# KiCad board ayab-esp32.kicad_pcb (continued)
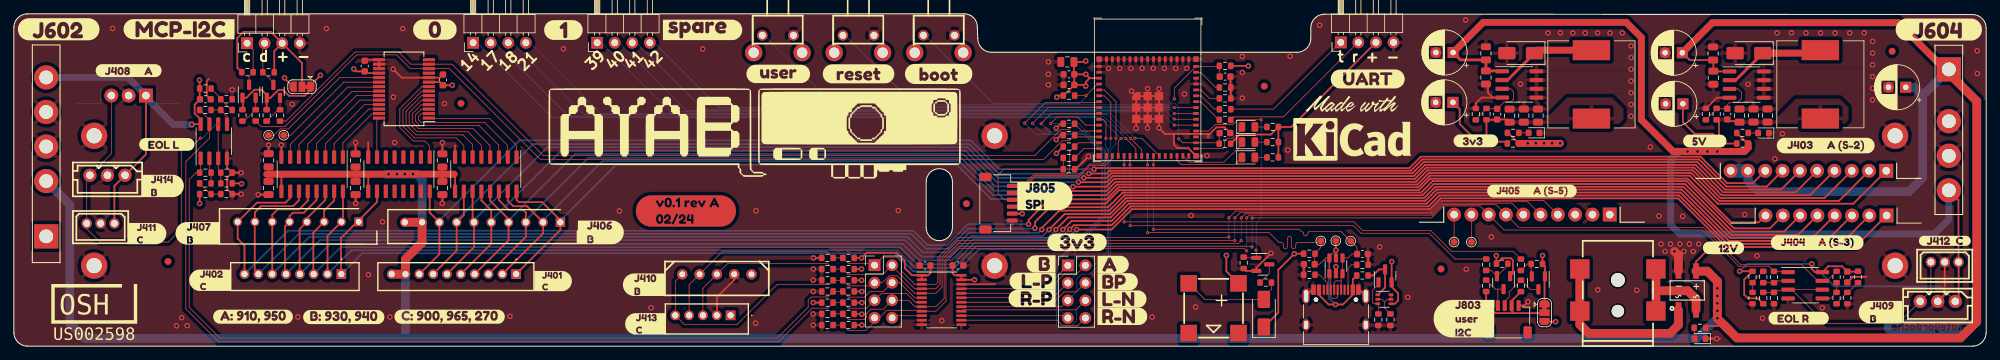
[diagram p0: board, top side]
## Library data of the parts (continued)
U301 = -: Description: 16-bit I/O expander, I2C, interrupts, w pull-ups, SSOP-28; LCSC ID: C506653; OEM: Microchip Tech; OEM PN: MCP23017-E/SS; Package: SSOP-28
U302-U304 = -: Description: High Voltage, High Current Darlington Transistor Arrays, SOIC16/SOIC16W/DIP16/TSSOP16; LCSC ID: C7512; OEM: Texas Instruments; OEM PN: ULN2003ADR; Package: SOIC-16
U501 = -: Description: ESD Protection Diodes with Low Clamping Voltage, SOT-23-6; LCSC ID: C7420376; OEM: hongjiacheng; Package: SOT-23-6
U601 U602 = -: LCSC ID: C61063; OEM: XLSEMI; OEM PN: XL1509-5.0E1; Package: SOIC-8
U701 = -: LCSC ID: C7859; OEM: Texas Instruments; OEM PN: SN74LVC4245APWR; Package: TSSOP-24
U702 U703 = -: Description: Low-Power, Low-Offset Voltage, Dual Comparators, DIP-8/SOIC-8/TO-99-8; LCSC ID: C7955; OEM: onsemi; OEM PN: LM393DR2G; Package: SOIC-8

## Footprints (pads in the part's own frame, mm; a bottom-side part is the same pattern mirrored in y, then rotated)
530140510
  rect 1.4x1.4 hole 0.9: 1(0,0)
  round 1.4 hole 0.9: 2(-2,0) 3(-4,0) 4(-6,0) 5(-8,0)
530140810
  rect 1.4x1.4 hole 0.9: 1(0,0)
  round 1.4 hole 0.9: 2(-2,0) 3(-4,0) 4(-6,0) 5(-8,0) 6(-10,0) 7(-12,0) 8(-14,0)
530141010
  rect 1.4x1.4 hole 0.9: 1(0,0)
  round 1.4 hole 0.9: 2(-2,0) 3(-4,0) 4(-6,0) 5(-8,0) 6(-10,0) 7(-12,0) 8(-14,0) 9(-16,0) 10(-18,0)
Brother_4P
  rect 3.5x3.5 hole 2: 1(21.005,2)
  round 3.5 hole 2: 2(13.505,2) 3(8.505,2) 4(3.505,2)
Brother_5P
  rect 3.5x3.5 hole 2: 1(27.7,2)
  round 3.5 hole 2: 2(19.7,2) 3(14.7,2) 4(9.7,2) 5(4.7,2)
BUZ-SMD_4P-L8.5-W8.5-P8.50-BR
  rect 2.4x2.4 smd: 1(-3.6,-3.6) 2(3.6,-3.6) 3(3.6,3.6) 4(-3.6,3.6)
C_0603_1608Metric
  rrect 0.9x0.95 smd: 1(-0.775,0) 2(0.775,0)
C_0805_2012Metric
  rrect 1x1.45 smd: 1(-0.95,0) 2(0.95,0)
CONN-TH_3P-P2.00_A2004WV-3P
  round 1.5 hole 1: 1(2,0) 2(0,0) 3(-2,0)
CONN-TH_3P-P2.50_X2564WV-03-N0SN
  round 1.9 hole 1.1: 1(2.54,0) 2(0,0) 3(-2.54,0)
CONN-TH_X2564WV-05-N0SN
  round 1.5 hole 0.85: 1(5,0) 2(2.5,0) 3(0,0) 4(-2.5,0) 5(-5,0)
CP_Radial_D6.3mm_P2.50mm
  rect 1.6x1.6 hole 0.8: 1(0,0)
  round 1.6 hole 0.8: 2(2.5,0)
D_0603_1608Metric
  rrect 0.875x0.95 smd: 1(-0.787,0) 2(0.787,0)
D_0805_2012Metric
  rrect 0.975x1.4 smd: 1(-0.938,0) 2(0.938,0)
D_SMA
  rrect 2.5x1.8 smd: 1(-2,0) 2(2,0)
DC-IN-TH_DC-005-5A-2.0-SMT
  round 1.8 hole 1.8 unplated: (-3.05,0)
  round 2 hole 2 unplated: (1.45,0)
  rect 2.8x2.8 smd: 1(-3.05,5.5) 1(3.05,5.5) 2(-3.05,-5.5) 3(3.05,-5.5)
ESP32-S3-MINI-1
  rect 0.8x0.4 smd: 1(-7,5.95) 2(-7,5.1) 3(-7,4.25) 4(-7,3.4) 5(-7,2.55) 6(-7,1.7) 7(-7,0.85) 8(-7,0) 9(-7,-0.85) 10(-7,-1.7) 11(-7,-2.55) 12(-7,-3.4) 13(-7,-4.25) 14(-7,-5.1) 15(-7,-5.95) 31(7,-5.95) 32(7,-5.1) 33(7,-4.25) 34(7,-3.4) 35(7,-2.55) 36(7,-1.7) 37(7,-0.85) 38(7,0) 39(7,0.85) 40(7,1.7) 41(7,2.55) 42(7,3.4) 43(7,4.25) 44(7,5.1) 45(7,5.95)
  rect 0.4x0.8 smd: 16(-5.95,-7) 17(-5.1,-7) 18(-4.25,-7) 19(-3.4,-7) 20(-2.55,-7) 21(-1.7,-7) 22(-0.85,-7) 23(0,-7) 24(0.85,-7) 25(1.7,-7) 26(2.55,-7) 27(3.4,-7) 28(4.25,-7) 29(5.1,-7) 30(5.95,-7) 46(5.95,7) 47(5.1,7) 48(4.25,7) 49(3.4,7) 50(2.55,7) 51(1.7,7) 52(0.85,7) 53(0,7) 54(-0.85,7) 55(-1.7,7) 56(-2.55,7) 57(-3.4,7) 58(-4.25,7) 59(-5.1,7) 60(-5.95,7)
  custom 1.2x1.2 smd: 61(-1.65,1.65)
  rect 1.2x1.2 smd: 61(-1.65,0) 61(-1.65,-1.65) 61(0,1.65) 61(0,0) 61(0,-1.65) 61(1.65,1.65) 61(1.65,0) 61(1.65,-1.65)
  rect 0.8x0.8 smd: 62(-7,7) 63(-7,-7) 64(7,-7) 65(7,7)
Fiducial_1mm_Mask2mm
  round 1 smd: (0,0)
HNC2-2.5P-3DS
  rect 2x2 hole 1.1: 1(-2.5,0)
  round 2 hole 1.1: 2(0,0) 3(2.5,0)
HNC2-2.5P-8DS
  rect 2x2 hole 1.1: 1(-8.75,0)
  round 2 hole 1.1: 2(-6.25,0) 3(-3.75,0) 4(-1.25,0) 5(1.25,0) 6(3.75,0) 7(6.25,0) 8(8.75,0)
HNC2-2.5P-10DS
  rect 2x2 hole 1.1: 1(-10,0)
  round 2 hole 1.1: 2(-7.5,0) 3(-5,0) 4(-2.5,0) 5(0,0) 6(2.5,0) 7(5,0) 8(7.5,0) 9(10,0) 10(12.5,0)
JST_SH_SM04B-SRSS-TB_1x04-1MP_P1.00mm_Horizontal
  rrect 0.6x1.55 smd: 1(-1.5,2) 2(-0.5,2) 3(0.5,2) 4(1.5,2)
  rrect 1.2x1.8 smd: MP(-2.8,-1.875) MP(2.8,-1.875)
JST_SH_SM06B-SRSS-TB_1x06-1MP_P1.00mm_Horizontal
  rrect 0.6x1.55 smd: 1(-2.5,2) 2(-1.5,2) 3(-0.5,2) 4(0.5,2) 5(1.5,2) 6(2.5,2)
  rrect 1.2x1.8 smd: MP(-3.8,-1.875) MP(3.8,-1.875)
KEY-TH_4P-L7.5-W11.5-P4.5
  round 1.52 hole 1: 1(-2.25,1.25) 2(2.25,1.25)
  round 2.5 hole 1.5: 3(-3.5,-1.25) 4(3.5,-1.25)
L_12x12mm_H8mm
  rect 2.9x5.4 smd: 1(-4.95,0) 2(4.95,0)
MBF-SMD_L4.8-W3.8-P2.54-LS6.8-TL
  rect 2.24x0.84 smd: 1(-2.82,1.27) 2(-2.82,-1.27) 3(2.82,-1.27) 4(2.82,1.27)
MountingHole_2.2mm_M2_DIN965_Pad
  round 3.8 hole 2.2: 1(0,0)
PinHeader_1x04_P2.54mm_Horizontal
  rect 1.7x1.7 hole 1: 1(0,0)
  oval 1.7x1.7 hole 1: 2(0,-2.54) 3(0,-5.08) 4(0,-7.62)
PinHeader_2x04_P2.54mm_Vertical
  rect 1.7x1.7 hole 1: 1(0,0)
  oval 1.7x1.7 hole 1: 2(2.54,0) 3(0,-2.54) 4(2.54,-2.54) 5(0,-5.08) 6(2.54,-5.08) 7(0,-7.62) 8(2.54,-7.62)
R_0603_1608Metric
  rrect 0.8x0.95 smd: 1(-0.825,0) 2(0.825,0)
SHDR8W65P0X250_1X8_2240X490X610P
  rect 1.275x1.275 hole 0.85: 1(0,0)
  round 1.275 hole 0.85: 2(-2.5,0) 3(-5,0) 4(-7.5,0) 5(-10,0) 6(-12.5,0) 7(-15,0) 8(-17.5,0)
SHDR10W70P0X250_1X10_2740X490X590P
  rect 1.35x1.35 hole 0.9: 1(22.5,0)
  round 1.35 hole 0.9: 2(20,0) 3(17.5,0) 4(15,0) 5(12.5,0) 6(10,0) 7(7.5,0) 8(5,0) 9(2.5,0) 10(0,0)
SOIC-8_3.9x4.9mm_P1.27mm
  rrect 1.95x0.6 smd: 1(-2.475,1.905) 2(-2.475,0.635) 3(-2.475,-0.635) 4(-2.475,-1.905) 5(2.475,-1.905) 6(2.475,-0.635) 7(2.475,0.635) 8(2.475,1.905)
SOIC-16_3.9x9.9mm_P1.27mm
  rrect 1.95x0.6 smd: 1(-2.475,4.445) 2(-2.475,3.175) 3(-2.475,1.905) 4(-2.475,0.635) 5(-2.475,-0.635) 6(-2.475,-1.905) 7(-2.475,-3.175) 8(-2.475,-4.445) 9(2.475,-4.445) 10(2.475,-3.175) 11(2.475,-1.905) 12(2.475,-0.635) 13(2.475,0.635) 14(2.475,1.905) 15(2.475,3.175) 16(2.475,4.445)
SolderJumper-3_P1.3mm_Bridged12_RoundedPad1.0x1.5mm
  custom 1.05x1.5 smd: 1(-1.3,0) 3(1.3,0)
  rect 1x1.5 smd: 2(0,0)
SOT-23
  rrect 1.475x0.6 smd: 1(-0.938,0.95) 2(-0.938,-0.95) 3(0.938,0)
SOT-23-6
  rrect 1.325x0.6 smd: 1(-1.137,0.95) 2(-1.137,0) 3(-1.137,-0.95) 4(1.137,-0.95) 5(1.137,0) 6(1.137,0.95)
SOT-363_SC-70-6
  rect 0.65x0.4 smd: 1(-0.95,0.65) 2(-0.95,0) 3(-0.95,-0.65) 4(0.95,-0.65) 5(0.95,0) 6(0.95,0.65)
SSOP-28_5.3x10.2mm_P0.65mm
  rect 1.75x0.45 smd: 1(-3.6,4.225) 2(-3.6,3.575) 3(-3.6,2.925) 4(-3.6,2.275) 5(-3.6,1.625) 6(-3.6,0.975) 7(-3.6,0.325) 8(-3.6,-0.325) 9(-3.6,-0.975) 10(-3.6,-1.625) 11(-3.6,-2.275) 12(-3.6,-2.925) 13(-3.6,-3.575) 14(-3.6,-4.225) 15(3.6,-4.225) 16(3.6,-3.575) 17(3.6,-2.925) 18(3.6,-2.275) 19(3.6,-1.625) 20(3.6,-0.975) 21(3.6,-0.325) 22(3.6,0.325) 23(3.6,0.975) 24(3.6,1.625) 25(3.6,2.275) 26(3.6,2.925) 27(3.6,3.575) 28(3.6,4.225)
TestPoint_Pad_D1.0mm
  round 1 smd: 1(0,0)
TSSOP-24_4.4x7.8mm_P0.65mm
  rrect 1.475x0.4 smd: 1(-2.862,3.575) 2(-2.862,2.925) 3(-2.862,2.275) 4(-2.862,1.625) 5(-2.862,0.975) 6(-2.862,0.325) 7(-2.862,-0.325) 8(-2.862,-0.975) 9(-2.862,-1.625) 10(-2.862,-2.275) 11(-2.862,-2.925) 12(-2.862,-3.575) 13(2.862,-3.575) 14(2.862,-2.925) 15(2.862,-2.275) 16(2.862,-1.625) 17(2.862,-0.975) 18(2.862,-0.325) 19(2.862,0.325) 20(2.862,0.975) 21(2.862,1.625) 22(2.862,2.275) 23(2.862,2.925) 24(2.862,3.575)
USB_C_Receptacle_HRO_TYPE-C-31-M-12
  round 0.65 hole 0.65 unplated: (-2.89,2.6) (2.89,2.6)
  rect 0.6x1.45 smd: A1(-3.25,4.045) A4(-2.45,4.045) A9(2.45,4.045) A12(3.25,4.045) B1(3.25,4.045) B4(2.45,4.045) B9(-2.45,4.045) B12(-3.25,4.045)
  rect 0.3x1.45 smd: A5(-1.25,4.045) A6(-0.25,4.045) A7(0.25,4.045) A8(1.25,4.045) B5(1.75,4.045) B6(0.75,4.045) B7(-0.75,4.045) B8(-1.75,4.045)
  oval 1x2.1 hole 0.6x1.7: S1(-4.32,3.13) S1(4.32,3.13)
  oval 1x1.6 hole 0.6x1.2: S1(-4.32,-1.05) S1(4.32,-1.05)

## Nets
+3V3: BUZZER201.1 C203.1 C204.1 C205.1 C301.1 C305.1 C701.1 D204.1 J801.3 J802.1 J804.1 J805.5 Q801.1 Q802.1 Q803.1 Q804.1 R201.1 R202.1 R203.1 R204.1 R205.1 R206.1 R209.1 R210.1 R501.1 R605.1 R610.2 R803.1 R804.1 R811.1 R812.1 R814.1 U201.3 U301.9 U301.18 U701.23 U701.24
+5V: C602.1 C609.1 C611.1 C702.1 C703.2 C704.2 J405.1 J408.1 J409.1 J410.1 J411.1 J412.1 J413.1 J414.1 J602.5 J604.4 J802.3 J804.3 Q501.4 Q502.2 R604.1 R611.2 R702.1 R704.1 R706.1 R708.1 R710.1 R712.1 R714.1 R723.1 R725.1 R727.1 R729.1 R733.1 R734.1 U602.1 U701.1 U701.2 U702.8 U703.8
+12V: C302.1 C303.1 C304.1 C601.1 C603.1 C604.1 C605.1 C606.1 C607.1 C610.1 D601.3 J401.9 J401.10 J403.9 J403.10 J406.9 J406.10 J602.2 J604.1 R603.1 TP601.1 U302.9 U303.9 U304.9 U601.1
/ESP32/VCC_SPI: R208.1 U201.41
/PSU/3V3_SW: C613.1 C615.2 C617.1 C619.1 C621.1 L602.2 R609.2 R610.1 TP603.1
/PSU/5V_SW: C612.1 C614.2 C616.1 C618.1 C620.1 L601.2 R608.2 R611.1 TP602.1
GND: C201.2 C202.2 C203.2 C204.2 C205.2 C301.2 C302.2 C303.2 C304.2 C305.2 C501.2 C502.2 C601.2 C602.2 C603.2 C604.2 C605.2 C606.2 C607.2 C609.2 C610.2 C611.2 C612.2 C613.2 C616.2 C617.2 C618.2 C619.2 C620.2 C621.2 C701.2 C702.2 C703.1 C704.1 D601.4 D602.1 D603.1 D604.1 D605.2 D606.2 H101.1 H102.1 H103.1 H104.1 H106.1 H108.1 J405.2 J408.2 J409.2 J410.2 J411.2 J412.2 J413.2 J414.2 J501.A1 J501.A12 J501.B1 J501.B12 J501.S1 J602.3 J602.4 J604.2 J604.3 J801.4 J803.4 J805.6 J806.4 Q201.2 R101.2 R102.2 R207.2 R208.2 R211.2 R502.2 R503.2 R606.2 R607.2 R701.2 R703.2 R705.2 R707.2 R709.2 R711.2 R713.2 R724.2 R726.2 R728.2 R730.2 R731.2 R732.2 R815.2 SW201.2 SW202.2 SW203.2 U201.1 U201.2 U201.42 U201.43 U201.46 U201.47 U201.48 U201.49 U201.50 U201.51 U201.52 U201.53 U201.54 U201.55 U201.56 U201.57 U201.58 U201.59 U201.60 U201.61 U201.62 U201.63 U201.64 U201.65 U301.10 U301.15 U301.16 U301.17 U302.8 U303.8 U304.8 U501.2 U601.4 U601.5 U601.6 U601.7 U601.8 U602.4 U602.5 U602.6 U602.7 U602.8 U701.11 U701.12 U701.13 U701.22 U702.4 U703.4
/AUX-CONNECTORS/AUX_SCL: J803.1 Q801.3 R807.2
/AUX-CONNECTORS/AUX_SDA: J803.2 Q802.3 R808.2
/AUX-CONNECTORS/AYAB_CIPO: R813.1 U201.15
/AUX-CONNECTORS/AYAB_COPI: J805.2 U201.16
/AUX-CONNECTORS/AYAB_CS: J805.1 R814.2 U201.14
/AUX-CONNECTORS/AYAB_RX: J801.1 R818.2
/AUX-CONNECTORS/AYAB_SCK: J805.4 U201.17
/AUX-CONNECTORS/AYAB_SCL: R209.2 R809.1 U201.13 U301.12
/AUX-CONNECTORS/AYAB_SDA: R210.2 R810.1 U201.12 U301.13
/AUX-CONNECTORS/AYAB_TX: J801.2 R819.1
/AUX-CONNECTORS/CIPO: J805.3 R813.2 R815.1
/AUX-CONNECTORS/I2C_SCL: R801.1 U201.20
/AUX-CONNECTORS/I2C_SDA: R802.1 U201.19
/AUX-CONNECTORS/I2C_VBUS: J804.2 J806.3 R816.1 R817.1
/AUX-CONNECTORS/MCP_SCL: J806.1 Q803.3 R816.2
/AUX-CONNECTORS/MCP_SDA: J806.2 Q804.3 R817.2
/AUX-CONNECTORS/UART_RX: R818.1 U201.40
/AUX-CONNECTORS/UART_TX: R819.2 U201.39
/AUX-CONNECTORS/USER_I2C_VBUS: J802.2 J803.3 R807.1 R808.1
/BROTHER-CONNECTORS/ENC_BELTPHASE: J405.6 J410.5 J413.5 J702.3 R705.1 R706.2 U701.5
/BROTHER-CONNECTORS/ENC_V1: J405.4 J410.4 J413.4 J702.1 R701.1 R702.2 U701.3
/BROTHER-CONNECTORS/ENC_V2: J405.5 J410.3 J413.3 J702.2 R703.1 R704.2 U701.4
/BROTHER-CONNECTORS/EOL_L: J408.3 J411.3 J414.3 R731.1 R733.2 TP701.1 U702.3 U702.6
/BROTHER-CONNECTORS/EOL_R: J409.3 J412.3 R732.1 R734.2 TP702.1 U703.3 U703.6
/BROTHER-CONNECTORS/EOL_R_N: J405.8 J702.6 R711.1 R712.2 R717.1 U701.8 U703.1
/BROTHER-CONNECTORS/EOL_R_S: J405.7 J702.7 R713.1 R714.2 R718.2 U701.9 U703.7
/BROTHER-CONNECTORS/SOL_0: J401.8 J403.8 J406.8 U303.16
/BROTHER-CONNECTORS/SOL_1: J401.7 J403.7 J406.7 U302.10
/BROTHER-CONNECTORS/SOL_2: J401.6 J403.6 J406.6 U302.11
/BROTHER-CONNECTORS/SOL_3: J401.5 J403.5 J406.5 U302.12
/BROTHER-CONNECTORS/SOL_4: J401.4 J403.4 J406.4 U302.13
/BROTHER-CONNECTORS/SOL_5: J401.3 J403.3 J406.3 U302.14
/BROTHER-CONNECTORS/SOL_6: J401.2 J403.2 J406.2 U302.15
/BROTHER-CONNECTORS/SOL_7: J401.1 J403.1 J406.1 U302.16
/BROTHER-CONNECTORS/SOL_8: J402.8 J404.8 J407.8 U304.10
/BROTHER-CONNECTORS/SOL_9: J402.7 J404.7 J407.7 U304.11
/BROTHER-CONNECTORS/SOL_A: J402.6 J404.6 J407.6 U304.12
/BROTHER-CONNECTORS/SOL_B: J402.5 J404.5 J407.5 U304.13
/BROTHER-CONNECTORS/SOL_C: J402.4 J404.4 J407.4 U304.14
/BROTHER-CONNECTORS/SOL_D: J402.3 J404.3 J407.3 U304.15
/BROTHER-CONNECTORS/SOL_E: J402.2 J404.2 J407.2 U304.16
/BROTHER-CONNECTORS/SOL_F: J402.1 J404.1 J407.1 U303.10
/ESP32/BOOT0: R206.2 SW203.1 U201.4
/ESP32/BOOT1: R207.1 U201.44
/ESP32/BUZZER: Q201.1 R211.1 U201.34
/ESP32/ENC_A: J701.1 U201.9 U701.21
/ESP32/ENC_B: J701.2 U201.10 U701.20
/ESP32/ENC_BP: J701.3 U201.11 U701.19
/ESP32/EOL_L_N: J701.5 U201.6 U701.17
/ESP32/EOL_L_P: J701.4 U201.5 U701.18
/ESP32/EOL_R_N: J701.7 U201.8 U701.15
/ESP32/EOL_R_P: J701.6 U201.7 U701.16
/ESP32/ESP14: J202.1 U201.18
/ESP32/ESP17: J202.2 U201.21
/ESP32/ESP18: J202.3 U201.22
/ESP32/ESP21: J202.4 U201.25
/ESP32/ESP39: J201.1 U201.35
/ESP32/ESP40: J201.2 U201.36
/ESP32/ESP41: J201.3 U201.37
/ESP32/ESP42: J201.4 U201.38
/ESP32/GRN: D202.1 U201.29
/ESP32/nRST: C202.1 R205.2 SW202.1 U201.45
/ESP32/RED: D203.1 U201.28
/ESP32/USB_M: C501.1 J501.A7 J501.B7 R501.2 TP502.1 U201.23 U501.1 U501.6
/ESP32/USB_P: C502.1 J501.A6 J501.B6 TP503.1 U201.24 U501.3 U501.4
/ESP32/YEL: D201.1 U201.31
/IO CONDITIONING/EOL_L_K: J702.4 R707.1 R708.2 R715.1 U701.6 U702.1
/IO CONDITIONING/EOL_L_L: J702.5 R709.1 R710.2 R716.2 U701.7 U702.7
/PSU/INP_1: D601.1 J601.1
/PSU/INP_2: D601.2 J601.2 J601.3
/SOLENOID DRIVERS/MCU_SOL_0: U301.8 U303.1
/SOLENOID DRIVERS/MCU_SOL_1: U301.7 U302.7
/SOLENOID DRIVERS/MCU_SOL_2: U301.6 U302.6
/SOLENOID DRIVERS/MCU_SOL_3: U301.5 U302.5
/SOLENOID DRIVERS/MCU_SOL_4: U301.4 U302.4
/SOLENOID DRIVERS/MCU_SOL_5: U301.3 U302.3
/SOLENOID DRIVERS/MCU_SOL_6: U301.2 U302.2
/SOLENOID DRIVERS/MCU_SOL_7: U301.1 U302.1
/SOLENOID DRIVERS/MCU_SOL_8: U301.21 U304.7
/SOLENOID DRIVERS/MCU_SOL_9: U301.22 U304.6
/SOLENOID DRIVERS/MCU_SOL_A: U301.23 U304.5
/SOLENOID DRIVERS/MCU_SOL_B: U301.24 U304.4
/SOLENOID DRIVERS/MCU_SOL_C: U301.25 U304.3
/SOLENOID DRIVERS/MCU_SOL_D: U301.26 U304.2
/SOLENOID DRIVERS/MCU_SOL_E: U301.27 U304.1
/SOLENOID DRIVERS/MCU_SOL_F: U301.28 U303.7
/USB/UCPD_CC1: J501.A5 R101.1
/USB/UCPD_CC2: J501.B5 R102.1
/USB/USB_VBUS: J501.A4 J501.A9 J501.B4 J501.B9 R504.1 TP501.1 U501.5
Net-(D201-A): D201.2 R202.2
Net-(D202-A): D202.2 R203.2
Net-(D203-A): D203.2 R204.2
Net-(D204-A): BUZZER201.2 D204.2 R212.1
Net-(D602-A): D602.2 R603.2
Net-(D603-A): D603.2 R604.2
Net-(D604-A): D604.2 R605.2
Net-(D605-K): D605.1 L601.1 U601.2
Net-(D606-K): D606.1 L602.1 U602.2
Net-(J405-Pin_9): J405.9 TP401.1
Net-(J405-Pin_10): J405.10 TP402.1
Net-(J701-Pin_8): J701.8 U701.14
Net-(J702-Pin_8): J702.8 U701.10
Net-(Q201-D): Q201.3 R212.2
Net-(Q501A-B1): Q501.2 Q501.5 Q501.6 R502.1
Net-(Q501A-E1): Q501.1 Q502.3 R504.2
Net-(Q501B-C2): Q501.3 Q502.1 R503.1
Net-(Q801-S): Q801.2 R801.2 R804.2
Net-(Q802-S): Q802.2 R802.2 R803.2
Net-(Q803-S): Q803.2 R809.2 R812.2
Net-(Q804-S): Q804.2 R810.2 R811.2
Net-(R719-Pad2): R719.2 R727.2 R728.1
Net-(R720-Pad1): R720.1 R723.2 R724.1
Net-(R721-Pad2): R721.2 R729.2 R730.1
Net-(R722-Pad1): R722.1 R725.2 R726.1
Net-(U201-SPIIO7/GPIO36/FSPICLK/SUBSPICLK): C201.1 R201.2 SW201.1 U201.32
Net-(U301-INTA): TP301.1 U301.20
Net-(U301-INTB): TP302.1 U301.19
Net-(U601-FB): C614.1 R606.1 R608.1 U601.3
Net-(U602-FB): C615.1 R607.1 R609.1 U602.3
Net-(U702A--): R715.2 R719.1 U702.2
Net-(U702B-+): R716.1 R720.2 U702.5
Net-(U703A--): R717.2 R721.1 U703.2
Net-(U703B-+): R718.1 R722.2 U703.5

Pads without a net: BUZZER201 3 4; J405 3; J501 A8 B8; J602 1; J803 MP; J805 MP; SW201 3 4; SW202 3 4; SW203 3 4; U201 26 27 30 33; U301 11 14; U303 2 3 4 5 6 11 12 13 14 15

## Via types
v1: diameter 0.45, hole 0.2, Top to Bottom, 41 vias
v2: diameter 0.8, hole 0.4, Top to Bottom, 199 vias

## Routing (per net, layer and track width the routed paths; a pad name or vN(x,y) marks a point on that pad's centre or on a via; arc(x,y) is an arc through that point)
+3V3: length 491.4
  Top w0.25: R610.2 216.02,30.87 R605.1 ; U301.9 61.58,38.21 C305.1 63.37,37.76 v2(63.38,37.77) ; v2(214.31,13.1) 214.33,13.08 R804.1 215.13,12.73 216.4,12.73 216.7,12.43 216.7,10.53 Q801.1 ; C203.1 151.75,36.26 R206.1 150.99,36.26 v2(150.76,36.03) ; C203.1 154.8,37.81 v2(154.96,37.65) 154.96,38.22 155.52,38.79 ; C203.1 C204.1 ; R811.1 36.55,35.92 Q804.1 ; v2(150.7,29.89) 151.35,30.54 R209.1 ; R501.1 185.12,13.38 v2(185.12,13.37) 182.79,11.04 182.79,4.86 D204.1 ; C204.1 153.25,39.39 C205.1 154.82,41.14 v2(154.96,41.27) ; C204.1 154.94,39.34 v2(154.96,39.35) 155.52,38.79 ; R202.1 181.72,30.63 177.24,30.63 R201.1 ; R202.1 R203.1 R204.1 ; R202.1 184.67,31.72 J801.3 ; v2(145.79,19.17) 145.24,19.17 145.22,19.19 J805.5 ; J802.1 221.28,10.04 Q802.1 221.34,11.55 R803.1 220.99,13.12 v2(221,13.12) ; Q804.1 36.58,36.34 35.8,37.12 34.78,37.12 33.62,35.96 Q803.1 33.15,35.87 33.15,34.34 R812.1 ; Q804.1 37.11,35.95 38.27,37.11 38.9,37.11 39.77,36.23 42.02,36.23 42.96,37.17 J804.1 ; 155.52,38.79 156.9,38.79 ; v2(138.87,9.62) 138.86,9.61 U701.23 U701.24 136.01,10.26 135.7,10.57 C701.1 ; U301.18 50.98,39.51 50.73,39.77 49.49,39.77 v2(49.14,40.12) ; R210.1 151.32,32.19 v2(150.7,31.56) ; v2(178.47,40.55) 178.46,40.56 R205.1 ; v2(44.33,39.2) 42.97,37.85 ; v2(150.73,27.9) 151.7,28.88 R814.1 ; v2(175.29,13.14) 175.29,10.84 BUZZER201.1
  Top w1: v2(223.54,29.36) 223.52,29.34 R610.2
  In2.Cu w0.25: v2(138.87,9.62) 139.25,9.23 139.25,8.31 139.28,8.28 ; v2(145.79,19.17) 145.79,16.73 147.17,15.35 158.69,15.35 158.85,15.51 ; 204.29,19.4 210.59,13.1 v2(214.31,13.1) 214.33,13.12 v2(221,13.12) ; 175.25,11.79 175.25,13.1 v2(175.29,13.14) ; 178.5,38.27 178.93,38.7 178.93,40.09 v2(178.47,40.55)
  In2.Cu w1: v2(44.33,39.2) 45.25,40.12 v2(49.14,40.12) 51.48,37.78 63.37,37.78 v2(63.38,37.77) ; v2(154.96,37.65) v2(154.96,39.35) v2(154.96,41.27) ; v2(154.96,37.65) 154.1,36.79 151.52,36.79 v2(150.76,36.03) 150.76,27.93 v2(150.73,27.9) ; v2(154.96,37.65) 155.58,38.27 195.06,38.27 ; 195.06,38.27 195.06,40.1 196.91,41.95 J801.3 ; 195.06,38.27 203.97,29.36 v2(218.85,29.36) v2(223.54,29.36) 224.68,29.36 226.5,27.54 226.5,23.67 224.01,21.18 206.07,21.18 204.29,19.4 204.26,19.4 200.77,15.91 187.66,15.91 v2(185.12,13.37) 185.12,13.33 183.58,11.79 162.57,11.79 158.85,15.51 150.82,15.51 143.59,8.28 132.76,8.28 130.52,10.52 130.52,20.89 128.54,22.87 91.82,22.87 89.49,25.2 89.49,34.72 86.44,37.77 58.88,37.77
  vias: v2(220.03,29.36) v2(221.2,29.36) v2(222.37,29.36)
+5V: length 608.7
  Top w0.25: v2(122.6,6.3) 122.59,6.3 R710.1 ; U701.1 132.17,10.26 132.51,10.6 C702.1 ; U701.1 129.84,10.26 128.81,11.29 128.81,12.33 127.61,13.53 123.31,13.53 v2(122.55,12.77) 122.54,12.78 R702.1 ; U701.1 U701.2 ; R727.1 26.86,20.66 v2(26.86,20.65) ; Q501.4 199.65,6.14 200.12,6.61 200.12,7.65 199.18,8.59 Q502.2 199.18,12.23 v2(199.19,12.24) ; J802.3 v2(222.89,3.55) ; v2(25.74,32.08) 25.79,32.14 U702.8 27,32.82 26.14,33.69 26.14,34.96 C703.2 26.86,35.79 R723.1 26.86,38.49 v2(26.85,38.5) ; J804.3 39.14,38.77 v2(39.14,38.83) ; R714.1 v2(122.58,3.05) ; R708.1 122.58,7.92 v2(122.59,7.91) ; v2(122.59,4.62) 122.53,4.68 R712.1 ; R733.1 32.86,23.56 v2(32.92,23.5) ; J408.1 19.1,27.76 J414.1 14.54,23.2 14.54,17.76 J411.1 ; v2(259.91,11.91) 259.91,11.18 260.37,10.72 U703.8 262.29,11.56 264.27,11.56 C704.2 266.55,10.79 R725.1 ; 280.66,6.48 281.13,6.96 J412.1 281.12,12.2 281.12,21.17 J604.4 ; R611.2 250.61,29.32 R604.1 ; R734.1 252.1,6.93 250.68,6.93 250.15,7.46 250.15,9.64 R729.1 251.34,10.84 v2(249.48,10.84) ; R706.1 122.54,9.54 v2(122.55,9.53) ; R704.1 122.54,11.16 v2(122.55,11.16)
  Top w0.4: C609.1 209.14,41.43 C602.1 212.81,41.43 C611.1 215.11,39.84 U602.1
  Top w1: 250.72,28.74 R611.2 ; 250.72,28.74 250.17,28.18 247.26,28.18 247.25,28.19 245.89,28.19 245.87,28.17 245.85,28.19 244.49,28.19 244.47,28.17 244.45,28.19 243.18,28.19 243.16,28.17 243.14,28.19 241.87,28.19 241.85,28.17 241.83,28.19 240.53,28.19 240.51,28.17 240.49,28.19 239.86,28.19 235.28,32.77 235.28,44.67 233.09,46.86 212.42,46.86 208.07,42.51 C609.1 ; 250.72,28.74 250.18,28.19
  In2.Cu w1: v2(122.59,3.05) 121.2,1.66 106.42,1.66 J413.1 103.62,7.38 103.63,7.39 ; v2(122.59,3.05) 122.59,10.46 ; v2(122.59,3.05) 123.91,1.73 129.03,1.73 131.41,4.11 131.41,4.12 133.67,6.38 143.95,6.38 151.71,14.14 157.64,14.14 161.54,10.24 184.7,10.24 187.24,12.78 198.65,12.78 v2(199.19,12.24) 207.88,3.55 v2(222.89,3.55) 224.39,5.05 224.39,12.54 230.71,18.86 J405.1 230.77,19.04 239.9,28.17 v2(246.27,28.17) ; 31.3,25.12 v2(32.92,23.5) ; 31.3,25.12 31.3,25.11 26.86,20.67 v2(26.86,20.65) 25.55,19.34 25.55,10.79 28.95,7.39 103.63,7.39 ; 31.3,25.12 31.3,28.74 26.85,33.19 ; v2(39.14,38.83) 36.8,41.17 29.52,41.17 v2(26.85,38.5) 26.85,33.19 ; 26.85,33.19 v2(25.74,32.08) ; v2(122.55,12.77) 122.59,12.73 122.59,10.46 ; 122.59,10.46 122.51,10.39 ; 103.63,7.39 J410.1
  Bottom w0.25: 280.66,6.48 278.48,8.66 263.16,8.66 v2(259.91,11.91) 250.58,11.91 249.51,10.84 v2(249.48,10.84)
  Bottom w1: J602.5 16.48,38.89 J408.1 19.1,36.05 23.07,32.08 v2(25.74,32.08) ; J604.4 279.73,18.33 277.62,16.22 240.87,16.22 239.51,17.58 239.51,26.91 240.77,28.17 v2(241.95,28.17) v2(246.27,28.17)
  vias: v2(243.39,28.17) v2(244.83,28.17)
+12V: length 540.2
  Top w0.25: 63.65,24.89 63.78,24.76 U302.9 ; 247.87,2.93 244.84,2.93 ; U601.1 245.73,39.77 C610.1 245.68,41.38 C601.1 242.26,41.41 C606.1 ; 51.29,24.89 51.23,24.84 U303.9 ; 36.83,25.29 36.83,25.16 36.57,24.89 ; 36.83,25.29 36.83,25.29 C304.1 ; 36.83,25.29 C603.1 ; C303.1 61.95,24.88 61.94,24.89 61.95,24.91 61.95,25.94 ; 49.4,25.94 49.4,25.06 49.57,24.89 49.4,24.73 C302.1 ; 245.14,14.19 TP601.1 245.1,14.16 243.18,12.24 D601.3 ; U304.9 38.68,24.68 38.9,24.89
  Top w1: 36.57,24.89 v2(54.17,24.89) v2(55.38,24.89) 56.51,24.89 v2(56.52,24.9) 56.53,24.89 57.69,24.89 v2(57.71,24.91) 57.73,24.89 63.65,24.89 ; J604.1 279.16,40.06 272.4,46.82 245.56,46.82 C606.1
  Top w1.27: 247.94,2.34 249.09,1.19 281.42,1.19 283.76,3.53 283.76,35.46 279.73,39.49 J604.1 ; 247.94,2.34 246.25,4.03 246.27,4.05 246.27,5.15 246.25,5.17 246.27,5.19 v2(246.27,8.36) 246.27,9.39 244.81,10.85 243.21,10.85 D601.3 ; 247.94,2.34 247.35,2.93 ; J406.10 J406.9 59.02,15 56.62,12.6 J401.9 J401.10
  Bottom w1.27: v2(246.27,8.36) 246.27,4.07 243.31,1.11 10.28,1.11 8.1,3.29 8.1,20.47 J602.2 ; 275.94,36.27 274.73,37.47 C607.1 ; 275.94,36.27 275.94,24.36 273.94,22.36 252.23,22.36 250.69,23.9 J403.9 ; 275.94,36.27 J604.1 ; J401.9 56.62,1.11 ; 53.81,24.88 58.25,24.88 59.02,24.11 59.02,17.94 J406.9
  Bottom w2: J403.9 J403.10
  vias: v2(246.27,7.28) v2(246.27,6.2) v2(246.27,5.12) v2(246.27,4.03)
/ESP32/VCC_SPI: length 3.9
  Top w0.1: 170.9,37.09 171.61,37.09 172.84,35.86 R208.1
/PSU/3V3_SW: length 18.5
  Top w0.25: TP603.1 212.87,30.43 210.74,30.43 209.02,32.16 209.02,34.3 C613.1 ; TP603.1 212.89,30.42 212.89,32.76 214.39,32.76 C615.2 215.84,32.81 C621.1 ; TP603.1 213.71,29.59 215.65,29.59 R610.1
/PSU/5V_SW: length 16.9
  Top w0.25: R611.1 247.01,29.32 TP602.1 ; C620.1 249.32,32.57 247.94,32.57 C614.2 ; TP602.1 245.6,30.74 242.98,30.74 241.28,32.44 C612.1 ; TP602.1 246.5,29.84 246.5,32.43 R608.2
GND: length 141.8
  Top w0.25: U201.61 162.25,36.23 v2(161.58,36.9) ; U201.61 162.25,32.89 ; U201.61 U201.61 ; 167.71,30.71 167.71,29.18 168.23,28.66 169.78,28.66 U201.64 ; 167.71,30.71 166.43,30.71 v2(165.56,31.58) 165.55,31.59 165.55,32.89 ; 167.71,30.71 172.68,30.71 ; 63.79,29.04 63.78,29.04 U302.8 ; U304.8 38.68,29.11 v2(38.67,29.12) ; v2(35.32,21.94) 35.32,21.94 36.83,21.94 ; 267.83,10.04 265.85,10.04 C704.1 ; 213.8,35.98 213.11,36.66 213.11,38.31 ; 213.8,35.98 212.19,35.98 211.35,35.13 R607.2 ; 213.8,35.98 215.16,35.98 ; R731.2 30.84,24.39 30.84,22.74 R728.2 32.83,22.01 v2(32.85,21.99) ; R731.2 30.81,25.86 U702.4 ; R731.2 32.84,25.11 v2(32.85,25.1) ; 246.7,1.09 D602.1 ; J413.2 101.64,4.48 101.64,7.1 104.14,9.6 J410.2 ; C703.1 27.89,36.31 27.89,38.41 28.18,38.69 ; U201.61 U201.61 ; U501.2 v2(191.13,11.5) ; R211.2 178.13,10.89 Q201.2 179.61,11.33 v2(181.74,13.45) ; R208.2 R207.2 175.88,37.49 C202.2 ; J501.S1 187.72,8.17 J501.A1 ; J501.S1 194.53,8.17 J501.A12 ; R101.2 186.5,10.38 C501.2 ; v2(49.41,29.47) 49.4,29.47 C604.2 ; v2(218.9,6.42) 218.35,5.88 J803.4 ; v2(49.41,20.67) 49.4,20.68 49.4,21.94 ; v2(54.85,40.09) 56.08,38.86 U301.10 61.58,38.86 C305.2 ; v2(163.9,37.27) U201.61 163.9,31.58 v2(163.89,31.56) ; v2(155.35,27.46) 153.5,25.61 R815.2 ; C502.2 195.78,13.28 R102.2 ; v2(165.55,37.25) U201.61 ; U201.61 165.55,32.89 ; v2(115.56,6.31) 115.57,6.3 R709.2 ; U601.4 246.18,35.96 244.64,34.42 244.61,34.42 ; C603.2 36.83,29.11 v2(36.82,29.12) ; U301.17 U301.16 U301.15 50.87,41.46 C301.2 ; U303.8 51.23,29.47 51.23,29.47 ; 172.68,30.71 v1(172.68,30.29) ; 172.68,30.71 172.89,30.71 173.85,31.67 175.02,31.67 C201.2 ; 162.25,32.89 162.25,31.57 v2(162.22,31.53) ; 162.25,32.89 165.55,32.89 ; U701.22 141.78,8.96 141.78,8.97 ; J412.2 279.13,7.5 J409.2 ; 61.95,21.94 61.95,20.7 v2(61.93,20.67) ; C605.2 61.95,29.47 v2(61.96,29.47) ; v2(115.6,12.78) R701.2
  Top w1.27: D601.4 240.64,13.13 v2(240.06,13.71)
  vias: v2(14.27,45.99) v2(23.52,2.95) v2(24.26,4.13) v2(25.07,2.97) v2(31.56,37.11) v2(40.25,35) v2(41.05,4.22) v2(45.2,45.96) v2(51.26,10.34) v2(53.3,17.99) v2(54.37,4.22) v2(54.86,36.05) v2(55.05,29.47) v2(56.22,45.95) v2(62.26,35.11) v2(71.72,4.31) v2(79.45,43.04) v2(87.55,19.55) v2(92.12,5.57) v2(99.59,43.01) v2(107.27,19.61) v2(107.24,3.33) v2(115.58,11.17) v2(115.57,9.54) v2(115.57,7.9) v2(115.55,4.67) v2(115.57,3.04) v2(127.86,19.63) v2(134.16,3.7) v2(149.57,41.14) v2(149.56,39.36) v2(149.56,37.83) v2(158.25,40.2) v2(159.86,40.2) v2(161.48,40.2) v2(163.1,40.2) v2(164.57,4.21) v2(164.71,40.2) v2(166.33,40.2) v2(167.95,40.2) v2(169.23,36.48) v2(169.57,40.2) v2(170.19,18.91) v2(170.84,5.68) v2(172.5,27.58) v2(177.6,41.93) v2(177.6,39.61) v2(177.6,35.91) v2(184.17,28.38) v2(184.49,41.95) v2(188.77,46.45) v2(197.45,14.35) v2(201.52,7.07) v2(209.88,47.19) v2(209.96,11.13) v2(213.59,15.81) v2(217.81,37.95) v2(221.79,45.34) v2(223.58,45.34) v2(225.37,45.34) v2(227.16,45.34) v2(228.95,45.34) v2(228.98,8.15) v2(230.74,45.34) v2(232.54,45.34) v2(233.8,43.47) v2(233.8,41.77) v2(233.8,40.07) v2(233.8,38.38) v2(233.8,36.68) v2(233.8,34.98) v2(233.8,33.28) v2(234.62,8.1) v2(236.57,28.81) v2(237.81,18.83) v2(238.13,14.79) v2(238.7,13.71) v2(239.49,14.79) v2(240.85,14.79) v2(241.26,18.79) v2(241.42,13.71) v2(242.21,14.79) v2(242.78,13.71) v2(243.57,14.79) v2(246.18,1.09) v2(250.21,19.05) v2(250.71,37.9) v2(252.02,13.1) v2(252.8,4.05) v2(254.6,27.1) v2(254.88,45.34) v2(255.68,30.74) v2(256.98,45.34) v2(259.08,45.34) v2(261.18,45.34) v2(261.44,5.56) v2(263.28,45.34) v2(265.38,45.34) v2(267.49,45.34) v2(268.7,44.11) v2(268.7,42.41) v2(268.7,40.72) v2(268.7,39.02) v2(268.7,37.32) v2(268.7,35.62) v2(283.82,42.75) v2(283.85,39.46)
/AUX-CONNECTORS/AUX_SCL: length 5.4
  Top w0.1: 214.55,8.26 214.15,8.26 R807.2 ; 214.55,8.26 214.53,8.24 J803.1 ; 214.55,8.26 Q801.3
/AUX-CONNECTORS/AUX_SDA: length 7.7
  Top w0.1: J803.2 215.53,6.47 216.17,7.11 216.17,7.85 R808.2 219.19,8.23 Q802.3
